# Altium PCB PCB.PcbDoc (part 2 of 2)
Units mm, origin at the board's own origin, x right, y up, seen from the top; angles counter-clockwise.
Board outline 103.25 x 114 mm, 2 copper layers (Top Layer, Bottom Layer); 184 components, 113 nets, 584 pads, 179 vias.
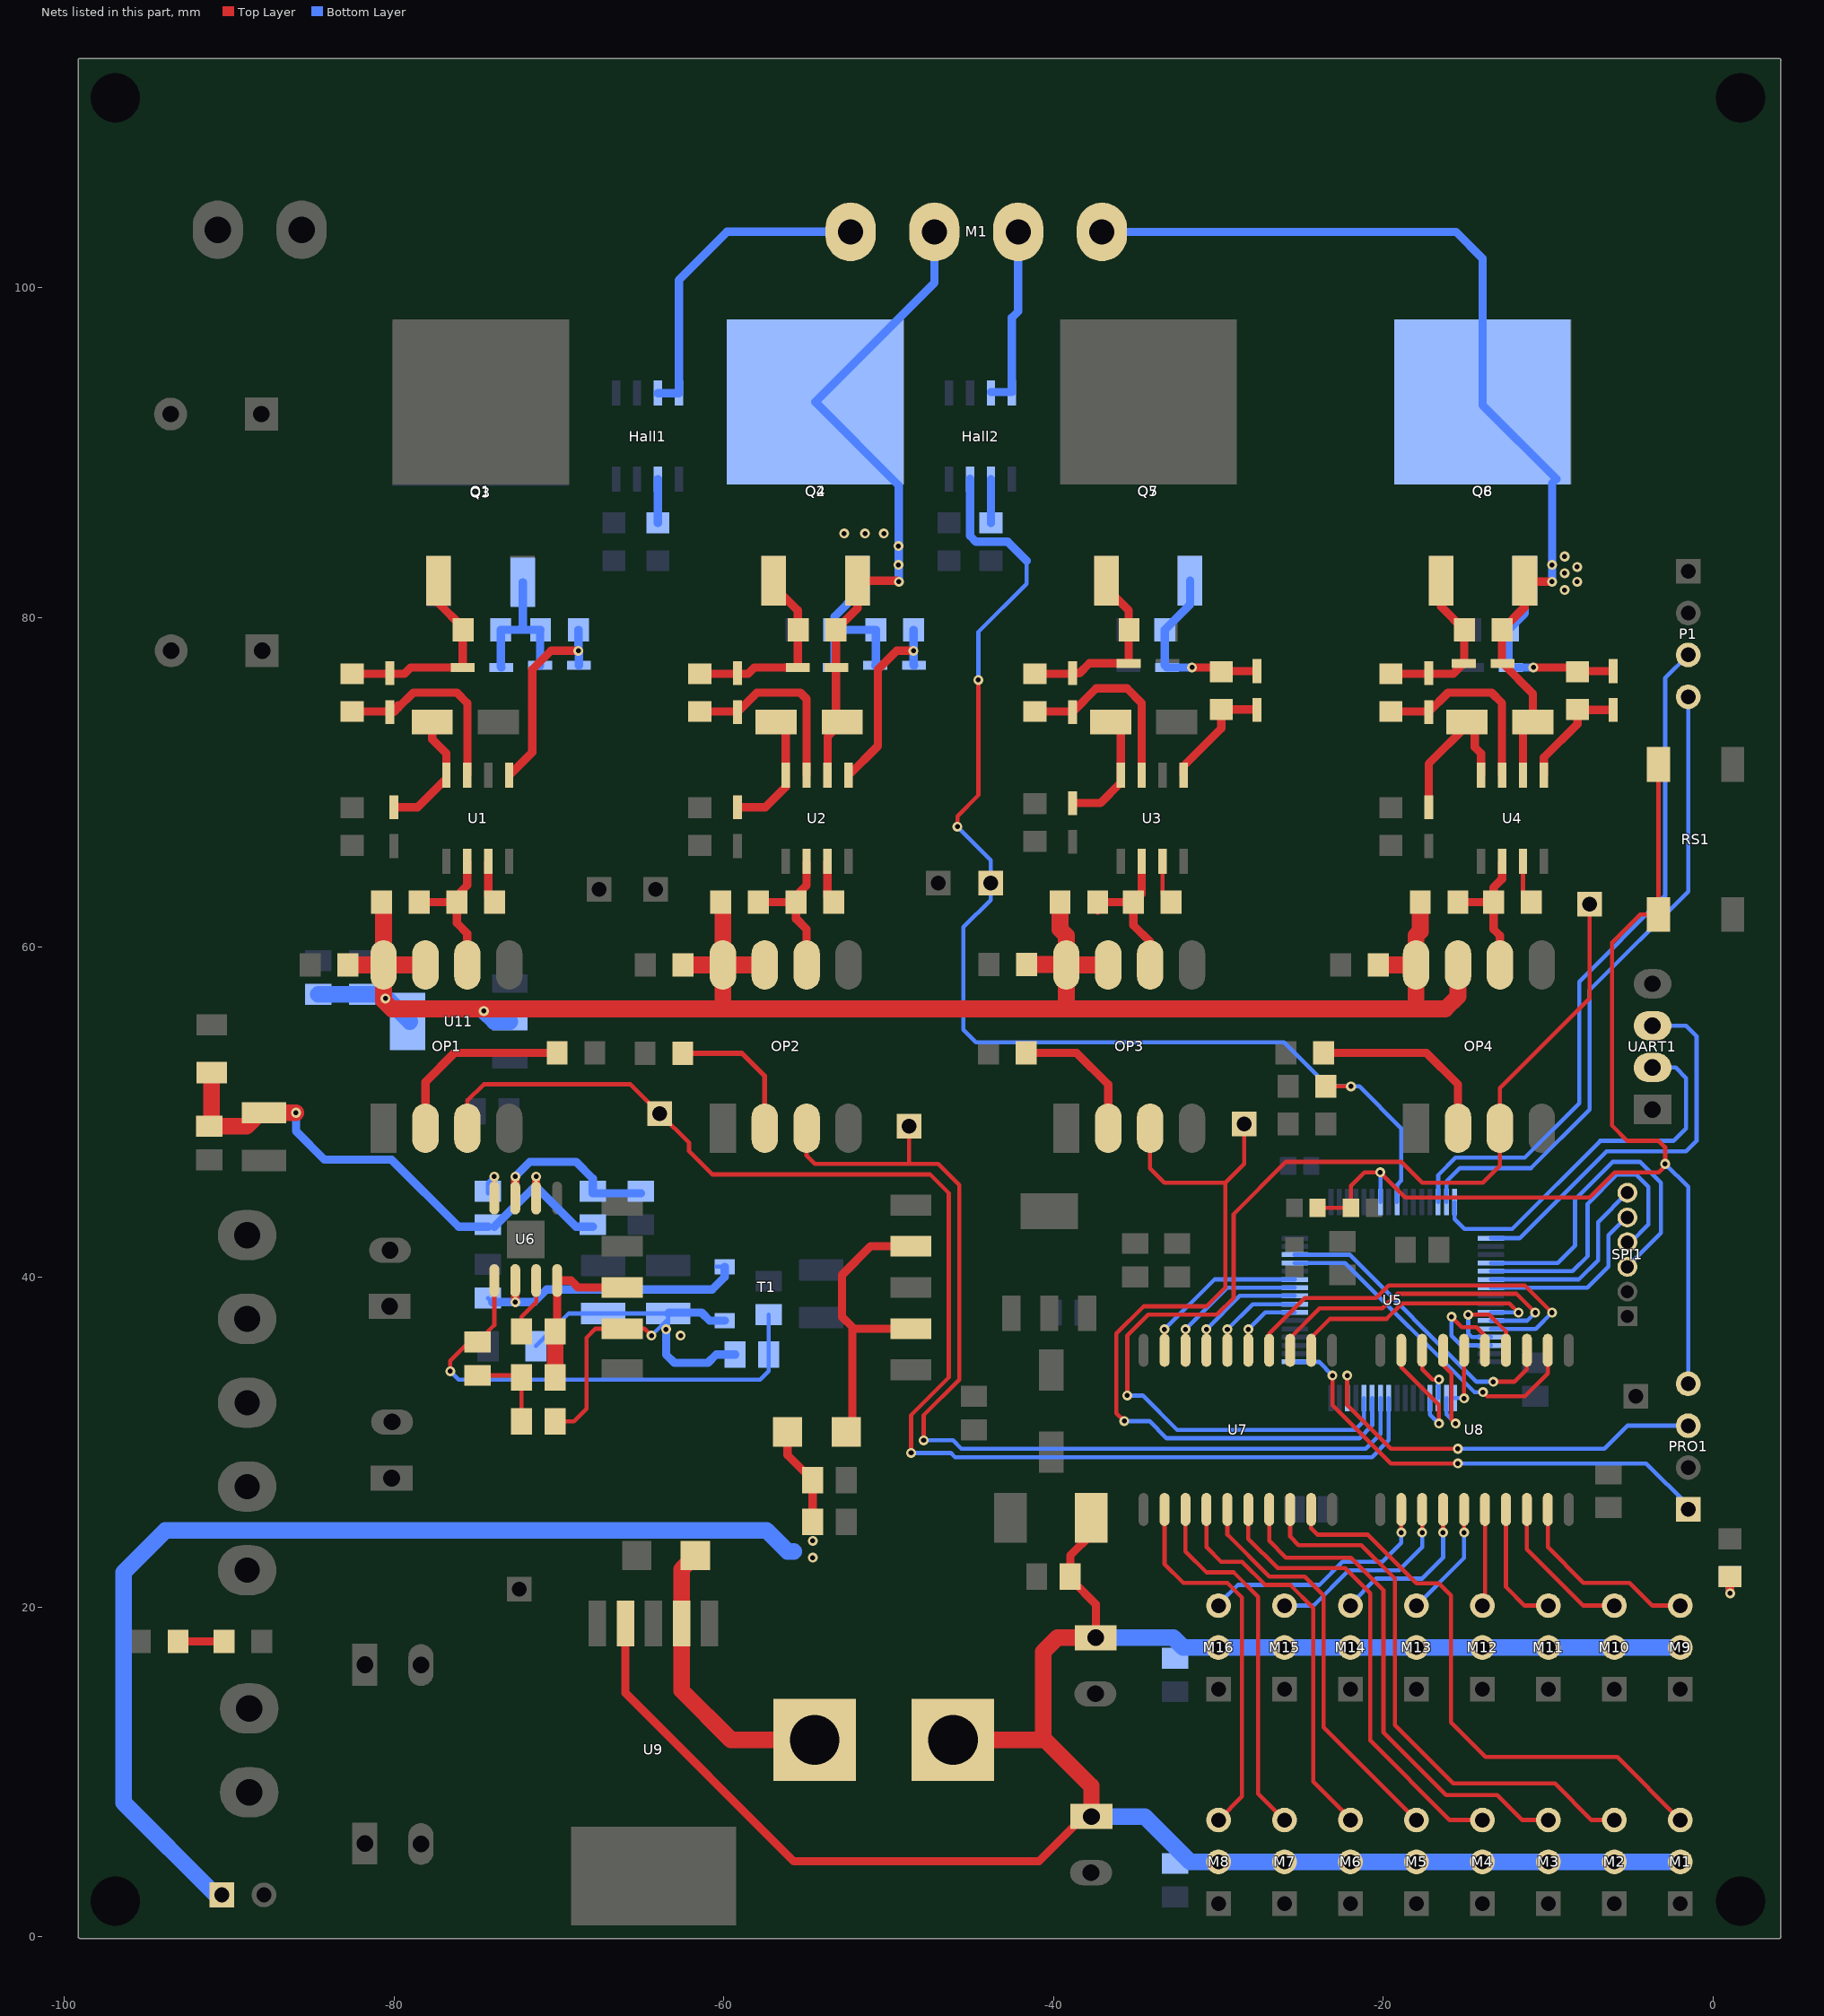
[diagram p2: the nets of this part, all layers, seen from the top]

## Via types
v1: diameter 0.6, hole 0.3, Top Layer to Bottom Layer, tented both sides, 170 vias
v2: diameter 1, hole 0.6, Top Layer to Bottom Layer, tented both sides, 9 vias

## Nets (pads, with @x,y where several pads share a name; then routed paths per layer and width w, separated by ;. In a path a pad name is that pad's centre, name@x,y a point inside that pad or via, vN(x,y) a via of type N, cw(c..) or ccw(c..) an arc to the next point about the centre after c; other vN are vias at no path point) (continued)
IB: C20.2 Hall2.7 TP2.1 U5.9 | length 74.3
  Top Layer w0.254: v1(-45.832,67.31) -45.832,67.945 -44.562,69.215 v1(-44.562,76.2) ; C20.2@-23.495,51.562 v1(-21.971,51.562)
  Bottom Layer w0.254: v1(-45.832,67.31) -45.832,67.295 -43.815,65.278 TP2.1@-43.815,63.881 -43.815,62.865 -45.466,61.214 -45.466,54.991 -44.704,54.229 -26.035,54.229 -23.368,51.562 v1(-21.971,51.562) -21.463,51.562 -18.923,49.022 -18.923,45.847 -19.181,45.589 U5.9@-19.181,44.558 ; v1(-44.562,76.2) -44.562,79.121 -41.641,82.042 -41.641,83.439
  Bottom Layer w0.508: Hall2.7@-45.07,88.392 -45.07,84.943 -44.709,84.582 -42.784,84.582 -41.641,83.439
MA+: Hall1.3 Hall1.4 M1.4 | length 19.8
  Bottom Layer w0.508: Hall1.3@-63.993,93.599 Hall1.4@-62.723,93.599 -62.723,100.457 -59.802,103.378 M1.4@-52.309,103.378
MA-: C2.2 D8.2 M1.3@-47.229,103.378 Q2.3 Q4.2 R2.2 U2.6 | length 41.7
  Top Layer w0.5: U2.6@-53.706,70.421 -53.706,72.771 C2.2@-52.817,73.66 -53.198,74.041 R2.2@-53.198,79.248 -51.892,80.554 Q2.3@-51.892,82.227 -49.446,82.227 v1(-49.388,82.169)
  Bottom Layer w0.5: v1(-49.388,82.169) -49.388,87.996 Q4.2@-54.458,93.066 -47.229,100.294 M1.3@-47.229,103.378
  other v1: -49.403,83.185 -49.403,84.328 -52.705,85.09 -51.435,85.09 -50.292,85.09
MB+: Hall2.3 Hall2.4 M1.2@-42.149,103.378 | length 11.7
  Bottom Layer w0.5: Hall2.3@-43.8,93.662 -42.53,93.662 -42.53,98.171 -42.149,98.552 M1.2@-42.149,103.378 M1.2@-42.53,102.997
MB-: C8.2 D22.2 M1.1@-37.069,103.378 Q6.3 Q8.2 R18.2 U4.6 | length 60.4
  Top Layer w0.5: U4.6@-11.542,70.421 -11.542,73.057 C8.2@-10.939,73.66 -10.939,75.375 D22.2@-12.78,77.216 -12.812,77.248 R18.2@-12.812,79.248 -11.43,80.63 Q6.3@-11.43,82.227 -11.372,82.169 v1(-9.779,82.169)
  Bottom Layer w0.5: M1.1@-37.069,103.378 -15.606,103.378 -13.995,101.767 Q8.2@-13.995,93.066 -13.995,92.877 -9.51,88.392 -9.779,88.123 v1(-9.779,83.185) v1(-9.779,82.169)
  other v1: -9.017,81.661 -8.255,82.169 -9.017,82.677 -8.255,83.058 -9.017,83.693
MISO: SPI1.6 U5.22 | length 11.8
  Bottom Layer w0.254: U5.22@-13.481,39.858 -8.148,39.858 -6.985,41.021 -6.985,43.337 SPI1.6@-5.207,45.115
MO_5V: C40.2 C44.2 C47.2 C48.1 C49.1 L1.1 L2.2 M1.2@-2,4.54 M2.2 M3.2 M4.2 M5.2 M6.2 M7.2 M8.2 M9.2 M10.2 M11.2 M12.2 M13.2 M14.2 M15.2 M16.2 U9.4 | length 139.2
  Top Layer w0.5: U9.4@-65.962,18.997 -65.962,14.781 -55.753,4.572 -40.894,4.572 -38.176,7.29 C49.1@-37.706,7.29 ; L1.1@-37.719,25.4 -37.719,24.384 -38.989,23.114 -38.989,21.59 -38.862,21.59 -37.44,20.168 C48.1@-37.44,18.136
  Top Layer w1: U9.4@-65.962,18.997 U9.4@-65.913,18.948 ; L2.2@-46.101,11.938 -40.767,11.938 -40.64,12.065 ; C49.1@-37.706,7.29 -37.706,9.131 -40.64,12.065 ; C48.1@-37.44,18.136 -39.776,18.136 -40.64,17.272 -40.64,12.065
  Bottom Layer w1: C49.1@-37.706,7.29 -34.468,7.29 -31.718,4.54 M8.2@-30,4.54 M7.2@-26,4.54 M6.2@-22,4.54 M5.2@-18,4.54 M4.2@-14,4.54 M3.2@-10,4.54 M2.2@-6,4.54 M1.2@-2,4.54 ; C48.1@-37.44,18.136 -32.741,18.136 -32.145,17.54 M16.2@-30,17.54 M15.2@-26,17.54 M14.2@-22,17.54 M13.2@-18,17.54 M12.2@-14,17.54 M11.2@-10,17.54 M10.2@-6,17.54 M9.2@-2,17.54
MOSI: SPI1.5 U5.23 | length 11.2
  Bottom Layer w0.254: U5.23@-13.481,39.358 -7.632,39.358 -6.35,40.64 -6.35,42.545 -5.278,43.617 SPI1.5@-5.207,43.617
NetC1_1: C1.1 D1.1 U1.8 | length 7.7
  Top Layer w0.508: D1.1@-79.995,68.485 -78.566,68.485 -76.82,70.231 U1.8@-76.82,70.421 -76.82,71.755 -77.677,72.612 C1.1@-77.677,73.66
NetC2_1: C2.1 D2.1 U2.8 | length 7.6
  Top Layer w0.5: D2.1@-59.167,68.485 -57.484,68.485 -56.246,69.723 U2.8@-56.246,70.421 -56.246,73.089 C2.1@-56.817,73.66
NetC7_1: C7.1 D15.1 U3.8 | length 7.4
  Top Layer w0.5: D15.1@-38.847,68.739 -37.164,68.739 -35.926,69.977 U3.8@-35.926,70.421 -35.926,73.057 C7.1@-36.529,73.66
NetC8_1: C8.1 D16.1 U4.8 | length 9.5
  Top Layer w0.5: D16.1@-17.257,68.485 -17.257,71.12 C8.1@-14.939,73.438 ; C8.1@-14.939,73.66 C8.1@-14.939,73.438 ; U4.8@-14.082,70.421 -14.082,71.755 -14.463,72.136 -14.463,72.962 C8.1@-14.939,73.438
NetC15_2: C15.2 Hall1.6 | length 2.7
  Bottom Layer w0.5: C15.2@-63.993,85.725 Hall1.6@-63.993,88.392
NetC21_2: C21.2 Hall2.6 | length 2.7
  Bottom Layer w0.5: C21.2@-43.8,85.725 Hall2.6@-43.8,88.392
NetC30_1: C30.1 D4.2 P2.1 R34.2 | length 70.6
  Top Layer w0.5: D4.2@-56.134,30.607 -56.134,29.21 R34.2@-54.61,27.686 C30.1@-54.61,25.146
  Bottom Layer w1: P2.1@-90.424,2.54 -90.805,2.54 -96.393,8.128 -96.393,22.098 -93.853,24.638 -57.404,24.638 -56.134,23.368 -55.753,23.368
  other v1: -54.61,22.987 -54.61,24.003
NetC31_1: C31.1 C33.1 R35.2 | length 5.4
  Top Layer w0.254: C33.1@-74.93,34.036 -72.39,34.036 R35.2@-72.263,33.909 C31.1@-72.263,31.242
NetC32_2: C32.2 U6.7 | length 3.5
  Top Layer w0.254: C32.2@-72.263,36.703 -72.263,37.592 -71.374,38.481 U6.7@-71.374,39.791
NetC33_2: C33.2 R38.1 R40.2 U6.5 | length 30.1
  Top Layer w0.254: v1(-76.581,34.29) -76.581,34.925 -75.438,36.068 C33.2@-74.93,36.068 -73.914,37.084 U6.5@-73.914,39.791
  Bottom Layer w0.254: v1(-76.581,34.29) -76.073,33.782 -57.785,33.782 -57.277,34.29 R38.1@-57.277,35.306 R40.2@-57.277,37.719
NetC36_1: C36.1 D17.1 U6.6 | length 17.5
  Top Layer w0.5: v1(-72.644,38.481) U6.6@-72.644,39.791
  Bottom Layer w0.254: C36.1@-74.295,38.735 C36.1@-74.041,38.481 ; D17.1@-60.466,40.626 D17.1@-59.944,40.626
  Bottom Layer w0.5: C36.1@-74.041,38.481 v1(-72.644,38.481) -71.501,38.481 -70.739,39.243 -60.706,39.243 -59.944,40.005 D17.1@-59.944,40.626
NetD4_1: D4.1 T1.7 T1.9 | length 18.4
  Top Layer w0.5: D4.1@-52.578,30.607 -52.197,30.988 -52.197,36.957 ; T1.9@-48.654,36.87 -52.11,36.87 -52.197,36.957 ; T1.7@-48.654,41.87 -51.094,41.87 -52.832,40.132 -52.832,37.592 -52.197,36.957
NetD5_1: D5.1 R3.2 U1.7 | length 12.3
  Top Layer w0.5: R3.2@-82.535,74.295 -79.963,74.295 ; D5.1@-79.995,74.263 -79.963,74.295 ; -79.741,74.676 -79.741,74.517 ; U1.7@-75.55,70.421 -75.55,74.803 -76.185,75.438 -78.82,75.438 -79.741,74.517 ; -79.963,74.295 -79.741,74.517
NetD5_2: D5.2 D7.1 Q1.1 R1.1 R3.1 | length 12.7
  Top Layer w0.508: R3.1@-82.535,76.581 -79.36,76.581 -78.979,76.962 D7.1@-75.836,76.962 -75.836,79.407 -77.292,80.863 Q1.1@-77.292,82.227
NetD6_1: D6.1 R4.2 U2.7 | length 11.8
  Top Layer w0.5: R4.2@-61.453,74.295 -59.199,74.295 D6.1@-59.167,74.263 -57.992,75.438 -55.357,75.438 -54.976,75.057 U2.7@-54.976,70.421
NetD6_2: D6.2 D8.1 Q2.1 R2.1 R4.1 | length 12
  Top Layer w0.508: R4.1@-61.453,76.581 D6.2@-59.199,76.581 ; D6.2@-59.167,76.613 D6.2@-59.199,76.581 ; Q2.1@-56.972,82.227 -56.972,81.879 -55.516,80.423 D8.1@-55.516,76.962 -58.151,76.962 -58.532,76.581 D6.2@-59.199,76.581
NetD9_1: D9.1 R7.2 U1.5 | length 12.4
  Top Layer w0.508: U1.5@-73.01,70.421 -71.613,71.819 -71.613,76.835 -70.47,77.978 v1(-68.819,77.978)
  Bottom Layer w0.508: R7.2@-68.819,79.248 v1(-68.819,77.978) -68.787,77.946 D9.1@-68.787,77.089
NetD9_2: D9.2 D13.1 Q3.1 R7.1 R9.1 | length 9.8
  Bottom Layer w0.508: R9.1@-73.526,79.248 R9.1@-73.518,79.248 ; D13.1@-73.486,76.962 -73.518,76.994 R9.1@-73.518,79.248 ; Q3.1@-72.187,82.126 -72.187,79.436 -72.375,79.248 ; D9.2@-71.137,77.089 R7.1@-71.137,79.216 ; R7.1@-71.105,79.248 R7.1@-71.137,79.216 ; R9.1@-73.518,79.248 -72.375,79.248 ; -72.375,79.248 -71.169,79.248 R7.1@-71.137,79.216
NetD10_1: D10.1 R8.2 U2.5 | length 12
  Top Layer w0.508: U2.5@-52.436,70.421 -50.658,72.2 -50.658,76.835 -49.515,77.978 v1(-48.499,77.978)
  Bottom Layer w0.508: R8.2@-48.499,79.248 v1(-48.499,77.978) -48.499,77.121 D10.1@-48.467,77.089
NetD10_2: D10.2 D14.1 Q4.1 R8.1 R10.1 | length 10.6
  Bottom Layer w0.508: R10.1@-53.325,79.248 R10.1@-53.285,79.248 ; D14.1@-53.285,76.962 R10.1@-53.285,79.248 ; Q4.1@-51.892,82.227 -51.892,81.443 -53.285,80.05 R10.1@-53.285,79.248 ; D10.2@-50.817,77.089 -50.785,77.121 R8.1@-50.785,79.248 R10.1@-53.285,79.248
NetD18_2: D18.2 L2.1 U9.2 | length 17.8
  Top Layer w1: D18.2@-61.722,23.114 -62.562,22.274 U9.2@-62.562,18.997 -62.562,14.937 -59.563,11.938 L2.1@-54.483,11.938
NetD19_1: D19.1 R19.2 U3.7 | length 11.8
  Top Layer w0.5: R19.2@-41.133,74.295 -38.879,74.295 D19.1@-38.847,74.263 -37.418,75.692 -35.545,75.692 -34.656,74.803 U3.7@-34.656,70.421
NetD19_2: D19.2 D21.1 Q5.1 R17.1 R19.1 | length 11.5
  Top Layer w0.508: R19.1@-41.133,76.581 -38.879,76.581 D19.2@-38.847,76.613 -38.434,76.613 -37.831,77.216 D21.1@-35.45,77.216 -35.45,80.423 -36.805,81.778 Q5.1@-36.805,82.227
NetD20_1: D20.1 R20.2 U4.7 | length 11.9
  Top Layer w0.5: R20.2@-19.543,74.295 -17.289,74.295 D20.1@-17.257,74.263 -16.082,75.438 -13.447,75.438 -12.812,74.803 U4.7@-12.812,70.421
NetD20_2: D20.2 D22.1 Q6.1 R18.1 R20.1 | length 10.3
  Top Layer w0.508: R20.1@-19.543,76.581 -15.765,76.581 D22.1@-15.13,77.216 -15.098,77.248 R18.1@-15.098,79.248 -16.51,80.66 Q6.1@-16.51,82.227
NetD23_1: D23.1 R23.2 U3.5 | length 7.1
  Top Layer w0.508: U3.5@-32.116,70.421 -32.116,70.993 -29.83,73.279 R23.2@-29.83,74.422 -27.703,74.422 D23.1@-27.671,74.39
NetD23_2: D23.2 D27.1 Q7.1 R23.1 R25.1 | length 11.6
  Top Layer w0.508: v1(-31.608,76.962) -30.338,76.962 -30.211,77.089 R23.1@-29.83,76.708 -29.798,76.74 D23.2@-27.671,76.74
  Bottom Layer w0.508: Q7.1@-31.725,82.227 -31.725,80.782 R25.1@-33.259,79.248 -33.259,77.103 D27.1@-33.118,76.962 v1(-31.608,76.962)
NetD24_1: D24.1 R24.2 U4.5 | length 7
  Top Layer w0.508: U4.5@-10.272,70.421 -10.272,71.501 -8.24,73.533 R24.2@-8.24,74.422 -8.208,74.39 D24.1@-6.081,74.39
NetD24_2: D24.2 D28.1 Q8.1 R24.1 R26.1 | length 12.1
  Top Layer w0.508: v1(-10.907,76.962) -8.494,76.962 R24.1@-8.24,76.708 -8.208,76.74 D24.2@-6.081,76.74
  Bottom Layer w0.508: Q8.1@-11.43,82.227 -11.43,80.249 R26.1@-12.431,79.248 -12.431,77.121 D28.1@-12.272,76.962 v1(-10.907,76.962)
NetOP1_2: OP1.2 R15.2 | length 11.5
  Top Layer w0.508: OP1.2@-78.09,49.027 -78.09,51.831 -76.327,53.594 R15.2@-70.104,53.594
NetOP2_2: OP2.2 R16.1 | length 8.7
  Top Layer w0.3: R16.1@-62.484,53.569 -58.903,53.569 -57.516,52.182 OP2.2@-57.516,49.027
NetOP3_2: OP3.2 R31.2 | length 8.4
  Top Layer w0.5: R31.2@-41.656,53.594 -38.608,53.594 -36.688,51.674 OP3.2@-36.688,49.027
NetOP4_2: OP4.2 R32.1 | length 11.6
  Top Layer w0.5: R32.1@-23.622,53.594 -17.399,53.594 -15.479,51.674 OP4.2@-15.479,49.027
NetPWR1_2: PWR1.2 R41.2 | length 2.8
  Top Layer w0.508: PWR1.2@-93.091,17.907 R41.2@-90.297,17.907
NetPWR2_2: PWR2.2 R42.2 | length 2
  Top Layer w0.5: v1(1.016,20.828) PWR2.2@1.016,21.844
  Bottom Layer w0.5: v1(1.016,20.828) R42.2@1.016,21.844
NetR5_1: R5.1 U1.3 | length 2.6
  Top Layer w0.508: U1.3@-74.28,65.215 -74.28,63.119 R5.1@-73.899,62.738
NetR6_1: R6.1 U2.3 | length 2.6
  Top Layer w0.508: U2.3@-53.706,65.215 -53.706,63.119 R6.1@-53.325,62.738
NetR21_1: R21.1 U3.3 | length 2.7
  Top Layer w0.254: U3.3@-33.386,65.215 -33.386,63.246 R21.1@-32.878,62.738
NetR22_1: R22.1 U4.3 | length 2.7
  Top Layer w0.254: U4.3@-11.542,65.215 -11.542,63.246 R22.1@-11.034,62.738
NetR36_1: R36.1 R39.2 U6.3 | length 10.6
  Top Layer w0.5: U6.3@-72.644,44.791 v1(-72.644,46.101)
  Bottom Layer w0.5: v1(-72.644,46.101) -71.755,46.99 -68.961,46.99 -67.945,45.974 R36.1@-67.945,45.212 -67.945,45.085 R39.2@-65.024,45.085
NetR37_2: R37.2 U6.4 | length 2.5
  Top Layer w0.254: U6.4@-73.914,44.791 v1(-73.914,46.101)
  Bottom Layer w0.254: R37.2@-74.295,45.085 R37.2@-74.295,45.212 -74.295,45.72 v1(-73.914,46.101)
NRST: C23.2 PRO1.4 R11.1 RS1.3 RS1.4 U5.7 | length 68.5
  Top Layer w0.254: C23.2@-24,44.196 R11.1@-21.971,44.196 -21.971,45.542 -21.158,46.355 v1(-20.193,46.355) -18.669,44.831 -7.493,44.831 -5.969,46.355 -3.302,46.355 -2.921,46.736 v1(-2.921,46.863) -2.921,47.879 -3.302,48.26 -5.207,48.26 -6.136,49.189 -6.136,60.285 -4.438,61.983 RS1.4@-3.326,61.983 RS1.3@-3.326,71.083
  Bottom Layer w0.254: v1(-20.193,46.355) -20.181,46.343 U5.7@-20.181,44.558 ; v1(-2.921,46.863) -1.524,45.466 PRO1.4@-1.524,33.528
NSCS_AS: SPI1.3 U5.20 | length 21
  Bottom Layer w0.254: U5.20@-13.481,40.858 -9.434,40.858 -8.382,41.91 -8.382,44.704 -6.096,46.99 -4.445,46.99 -3.175,45.72 -3.175,42.672 -5.207,40.64 SPI1.3@-5.207,40.617
OP_5V: C5.1 C6.1 C13.1 C14.1 C27.2 C54.2 OP1.7 OP1.8 OP2.7 OP2.8 OP3.7 OP3.8 OP4.7 OP4.8 R12.1 R14.1 R28.1 R30.1 U11.2 U11.4 | length 118.4
  Top Layer w1.016: C5.1@-82.789,58.928 OP1.8@-80.63,58.928 ; R12.1@-80.757,62.738 -80.63,62.611 OP1.8@-80.63,58.928 ; OP1.7@-78.09,58.928 OP1.8@-80.63,58.928 ; C6.1@-62.469,58.928 OP2.8@-60.056,58.928 ; R14.1@-60.183,62.738 -60.056,62.611 OP2.8@-60.056,58.928 ; OP2.7@-57.516,58.928 OP2.8@-60.056,58.928 ; C13.1@-41.641,58.953 -39.253,58.953 OP3.8@-39.228,58.928 ; R28.1@-39.609,62.738 -39.609,61.087 -39.228,60.706 OP3.8@-39.228,58.928 ; OP3.7@-36.688,58.928 OP3.8@-39.228,58.928 ; C14.1@-20.305,58.928 OP4.8@-18.019,58.928 ; R30.1@-17.765,62.738 -17.765,60.96 -18.019,60.706 OP4.8@-18.019,58.928 ; OP4.7@-15.479,58.928 -15.479,57.023 -16.241,56.261 -18.273,56.261 ; OP1.8@-80.63,58.928 -80.63,56.769 -80.122,56.261 -60.056,56.261 ; -60.056,56.261 -39.228,56.261 ; -60.056,56.261 OP2.8@-60.056,58.928 ; -39.228,56.261 OP3.8@-39.228,58.928 ; -39.228,56.261 -18.273,56.261 ; -18.273,56.261 -18.019,56.515 OP4.8@-18.019,58.928
  Bottom Layer w1.016: C54.2@-84.582,57.15 C27.2@-81.915,57.15 -80.697,57.15 U11.4@-79.046,55.499 ; v1(-74.549,56.134) -73.914,55.499 U11.2@-72.973,55.499
  other v1: -80.518,56.896
PA0: P1.3 U5.14 | length 41.9
  Bottom Layer w0.254: U5.14@-16.681,44.558 -16.681,46.184 -15.621,47.244 -11.43,47.244 -8.128,50.546 -8.128,57.912 -2.921,63.119 -2.921,76.327 P1.3@-1.524,77.724
PA1: P1.4 U5.15 | length 39.2
  Bottom Layer w0.254: U5.15@-16.181,44.558 -16.181,45.795 -15.367,46.609 -11.049,46.609 -7.493,50.165 -7.493,57.404 -1.524,63.373 P1.4@-1.524,75.184
PB0: U5.26 U7.2 | length 16.1
  Top Layer w0.254: U7.2@-24.384,35.56 -24.384,36.322 -23.241,37.465 -19.812,37.465 -18.877,38.4 -12.365,38.4 v1(-11.811,37.846)
  Bottom Layer w0.254: U5.26@-13.481,37.858 -11.823,37.858 v1(-11.811,37.846)
PB1: U5.27 U7.3 | length 20.1
  Top Layer w0.254: U7.3@-25.654,35.56 -25.654,36.322 -23.876,38.1 -20.066,38.1 -19.177,38.989 -11.938,38.989 v1(-10.795,37.846)
  Bottom Layer w0.254: U5.27@-13.481,37.358 -11.283,37.358 v1(-10.795,37.846)
PB2: U5.28 U7.4 | length 24.2
  Top Layer w0.254: U7.4@-26.924,35.56 -26.924,36.576 -24.765,38.735 -20.447,38.735 -19.685,39.497 -11.43,39.497 v1(-9.779,37.846)
  Bottom Layer w0.254: U5.28@-13.481,36.858 -10.767,36.858 v1(-9.779,37.846)
PB3: U5.55 U7.5 | length 4.5
  Top Layer w0.254: U7.5@-28.194,35.56 v1(-28.194,36.83)
  Bottom Layer w0.254: v1(-28.194,36.83) -27.166,37.858 U5.55@-25.381,37.858
PB4: U5.56 U7.6 | length 6
  Top Layer w0.254: U7.6@-29.464,35.56 v1(-29.464,36.83)
  Bottom Layer w0.254: v1(-29.464,36.83) -27.936,38.358 U5.56@-25.381,38.358
PB5: U5.57 U7.7 | length 7.5
  Top Layer w0.254: U7.7@-30.734,35.56 v1(-30.734,36.83)
  Bottom Layer w0.254: v1(-30.734,36.83) -28.706,38.858 U5.57@-25.381,38.858
PB6: U5.58 U7.8 | length 8.9
  Top Layer w0.254: U7.8@-32.004,35.56 v1(-32.004,36.83)
  Bottom Layer w0.254: v1(-32.004,36.83) -29.476,39.358 U5.58@-25.381,39.358
PB7: U5.59 U7.9 | length 10.4
  Top Layer w0.254: U7.9@-33.274,35.56 v1(-33.274,36.83)
  Bottom Layer w0.254: v1(-33.274,36.83) -30.246,39.858 U5.59@-25.381,39.858
PB8: U5.61 U8.2 | length 20.7
  Top Layer w0.254: v1(-13.97,33.02) -13.716,32.766 -11.43,32.766 -10.033,34.163 U8.2@-10.033,35.56
  Bottom Layer w0.254: U5.61@-25.381,40.858 -22.316,40.858 -14.478,33.02 v1(-13.97,33.02)
PB9: U5.62 U8.3 | length 18.7
  Top Layer w0.254: v1(-13.335,33.655) -12.065,33.655 -11.303,34.417 U8.3@-11.303,35.56
  Bottom Layer w0.254: U5.62@-25.381,41.358 -22.054,41.358 -14.351,33.655 v1(-13.335,33.655)
PB10: U5.29 U8.4 | length 6.5
  Top Layer w0.254: v1(-14.859,37.719) -13.589,37.719 -12.573,36.703 U8.4@-12.573,35.56
  Bottom Layer w0.254: v1(-14.859,37.719) -14.859,36.576 -14.641,36.358 U5.29@-13.481,36.358
PB11: U5.30 U8.5 | length 7.2
  Top Layer w0.254: v1(-15.875,37.592) -15.24,36.957 -14.351,36.957 -13.843,36.449 U8.5@-13.843,35.56
  Bottom Layer w0.254: v1(-15.875,37.592) -15.875,36.449 -15.284,35.858 U5.30@-13.481,35.858
PB12: U5.33 U8.6 | length 3.6
  Top Layer w0.254: v1(-15.113,32.639) -15.113,35.306 -14.986,35.433 U8.6@-15.113,35.56
  Bottom Layer w0.254: U5.33@-15.681,32.658 -15.132,32.658 v1(-15.113,32.639)
PB13: U5.34 U8.7 | length 6.5
  Top Layer w0.254: U8.7@-16.383,35.56 -16.383,34.671 -15.875,34.163 -15.875,31.369 v1(-15.621,31.115)
  Bottom Layer w0.254: U5.34@-16.181,32.658 -16.181,31.675 v1(-15.621,31.115)
PB14: U5.35 U8.8 | length 3.6
  Top Layer w0.254: U8.8@-17.653,35.56 -17.653,34.417 -17.018,33.782 v1(-16.637,33.782)
  Bottom Layer w0.254: U5.35@-16.681,32.658 -16.681,33.738 v1(-16.637,33.782)
PB15: U5.36 U8.9 | length 7.2
  Top Layer w0.254: U8.9@-18.923,35.56 -18.923,34.544 -16.637,32.258 v1(-16.637,31.115)
  Bottom Layer w0.254: U5.36@-17.181,32.658 -17.181,31.659 v1(-16.637,31.115)
PRI_12V: C31.2 C34.1 C35.1 D17.2 F2.1 R38.2 T1.2 | length 31.9
  Top Layer w0.254: C31.2@-70.231,31.242 -69.088,31.242 -68.326,32.004 -68.326,36.322 -67.778,36.87 T1.2@-66.154,36.87 -64.81,36.87 v1(-64.389,36.449)
  Bottom Layer w0.254: F2.1@-71.395,35.814 -69.416,37.793 C35.1@-67.31,37.793 C34.1@-63.373,37.793 C34.1@-63.373,37.465 ; v1(-64.389,36.449) C34.1@-63.373,37.465 ; v1@-63.373,36.83 C34.1@-63.373,37.465
  Bottom Layer w0.5: v1(-63.5,36.83) -63.5,35.306 -62.992,34.798 -60.96,34.798 -60.452,35.306 R38.2@-59.309,35.306 ; C34.1@-63.373,37.793 -63.32,37.846 -61.341,37.846 -60.847,37.352 D17.2@-59.944,37.352
  other v1: -62.611,36.449
PWM-IN-OPTO-AH: OP1.3 TP7.1 U5.41 | length 83
  Top Layer w0.254: OP1.3@-75.55,49.027 -75.55,50.688 -74.549,51.689 -65.659,51.689 TP7.1@-63.881,49.911 -62.103,48.133 -62.103,47.625 -60.706,46.228 -47.498,46.228 -46.355,45.085 -46.355,33.909 -48.641,31.623 v1(-48.641,29.337)
  Bottom Layer w0.254: v1(-48.641,29.337) -46.228,29.337 -45.974,29.083 -20.701,29.083 -19.681,30.103 U5.41@-19.681,32.658
PWM-IN-OPTO-AL: OP2.3 TP8.1 U5.42 | length 60.8
  Top Layer w0.254: OP2.3@-54.976,49.027 -54.976,47.356 -54.483,46.863 -48.768,46.863 ; TP8.1@-48.768,49.149 -48.768,46.863 ; v1(-47.879,30.099) -47.879,31.623 -45.72,33.782 -45.72,45.593 -46.99,46.863 -48.768,46.863
  Bottom Layer w0.254: v1(-47.879,30.099) -46.101,30.099 -45.593,29.591 -21.082,29.591 -20.181,30.492 U5.42@-20.181,32.658
PWM-IN-OPTO-BH: OP3.3 TP9.1 U5.43 | length 48.4
  Top Layer w0.254: v1(-35.712,31.267) -36.195,31.75 -36.195,36.576 -34.544,38.227 -30.734,38.227 -29.591,39.37 -29.591,45.72 ; OP3.3@-34.148,49.027 -34.148,46.594 -33.274,45.72 -29.591,45.72 ; TP9.1@-28.448,49.276 -28.448,46.863 -29.591,45.72
  Bottom Layer w0.254: v1(-35.712,31.267) -34.188,31.267 -33.147,30.226 -21.463,30.226 -20.681,31.008 U5.43@-20.681,32.658
PWM-IN-OPTO-BL: OP4.3 TP10.1 U5.44 | length 69.4
  Top Layer w0.254: v1(-35.535,32.817) -35.535,36.449 -34.265,37.719 -30.099,37.719 -29.083,38.735 -29.083,43.815 -25.908,46.99 -18.923,46.99 -17.653,45.72 -13.97,45.72 -12.939,46.751 OP4.3@-12.939,49.027 -12.939,51.45 -7.493,56.896 TP10.1@-7.493,62.611
  Bottom Layer w0.254: v1@-35.484,32.817 -34.595,32.817 -32.512,30.734 -21.717,30.734 -21.181,31.27 U5.44@-21.181,32.658
PWM-OUT-OPTO-AH: OP1.6 R5.2 R12.2 U1.2 | length 9.1
  Top Layer w0.508: R12.2@-78.471,62.738 R5.2@-76.185,62.738 ; OP1.6@-75.55,58.928 -75.55,60.833 -76.185,61.468 R5.2@-76.185,62.738 ; U1.2@-75.55,65.215 -75.55,63.754 -76.185,63.119 R5.2@-76.185,62.738
PWM-OUT-OPTO-AL: OP2.6 R6.2 R14.2 U2.2 | length 9.1
  Top Layer w0.508: R14.2@-57.897,62.738 R6.2@-55.611,62.738 ; OP2.6@-54.976,58.928 -54.976,61.087 -55.611,61.722 R6.2@-55.611,62.738 ; U2.2@-54.976,65.215 -54.976,63.754 -55.611,63.119 R6.2@-55.611,62.738
PWM-OUT-OPTO-BH: OP3.6 R21.2 R28.2 U3.2 | length 9.6
  Top Layer w0.508: R28.2@-37.323,62.23 R28.2@-37.323,62.738 R21.2@-35.164,62.738 ; U3.2@-34.656,65.215 -34.656,63.246 R21.2@-35.164,62.738 ; OP3.6@-34.148,58.928 -34.148,60.325 -35.164,61.341 R21.2@-35.164,62.738
PWM-OUT-OPTO-BL: OP4.6 R22.2 R30.2 U4.2 | length 8.8
  Top Layer w0.508: R30.2@-15.479,62.738 R22.2@-13.32,62.738 ; OP4.6@-12.939,58.928 -12.939,60.706 -13.32,61.087 R22.2@-13.32,62.738 ; U4.2@-12.812,65.215 -12.812,64.135 -13.32,63.627 R22.2@-13.32,62.738
RC1: M1.3@-2,7.08 U7.19 | length 35.4
  Top Layer w0.254: U7.19@-24.384,25.908 -24.384,24.765 -24.003,24.384 -20.955,24.384 -18.008,21.437 -16.637,21.437 -15.9,20.7 -15.9,13 -13.8,10.9 -5.82,10.9 M1.3@-2,7.08
RC2: M2.3 U7.18 | length 33.6
  Top Layer w0.254: U7.18@-25.654,25.908 -25.654,24.257 -25.146,23.749 -21.336,23.749 -19.304,21.717 -19.304,12.827 -15.777,9.3 -9.6,9.3 -7.38,7.08 M2.3@-6,7.08
RC3: M3.3 U7.17 | length 30.9
  Top Layer w0.254: U7.17@-26.924,25.908 -26.924,24.003 -25.908,22.987 -21.971,22.987 -20,21.016 -20,12.4 -16.2,8.6 -13.1,8.6 -11.58,7.08 M3.3@-10,7.08
RC4: M4.3 U7.16 | length 28.3
  Top Layer w0.254: U7.16@-28.194,25.908 -28.194,24.13 -26.416,22.352 -22.324,22.352 -20.8,20.828 -20.8,11.9 -15.98,7.08 M4.3@-14,7.08
RC5: M5.3 U7.15 | length 24.8
  Top Layer w0.254: U7.15@-29.464,25.908 -29.464,24.384 -26.924,21.844 -24.765,21.844 -23.622,20.701 -23.622,12.702 M5.3@-18,7.08
RC6: M6.3 U7.14 | length 24.1
  Top Layer w0.254: U7.14@-30.734,25.908 -30.734,23.622 -29.845,22.733 -28.575,22.733 -27.178,21.336 -25.657,21.336 -24.257,19.936 -24.257,9.398 -22,7.141 M6.3@-22,7.08
RC7: M7.3 U7.13 | length 22.3
  Top Layer w0.254: U7.13@-32.004,25.908 -32.004,23.368 -30.734,22.098 -29.083,22.098 -27.6,20.615 -27.6,8.68 M7.3@-26,7.08
RC8: M8.3 U7.12 | length 22.9
  Top Layer w0.254: U7.12@-33.274,25.908 -33.274,22.606 -32.131,21.463 -29.464,21.463 -28.575,20.574 -28.575,8.505 M8.3@-30,7.08
RC9: M9.3 U8.19 | length 11.8
  Top Layer w0.254: U8.19@-10.033,25.908 -10.033,23.622 -7.874,21.463 -5.08,21.463 -3.697,20.08 M9.3@-2,20.08
RC10: M10.3 U8.18 | length 9.1
  Top Layer w0.254: U8.18@-11.303,25.908 -11.303,23.495 -7.888,20.08 M10.3@-6,20.08
RC11: M11.3 U8.17 | length 7.7
  Top Layer w0.254: U8.17@-12.573,25.908 -12.573,21.209 -11.444,20.08 M11.3@-10,20.08
RC12: M12.3 U8.16 | length 5.9
  Top Layer w0.254: M12.3@-14,20.08 -13.843,20.237 U8.16@-13.843,25.908
RC13: M13.3 U8.15 | length 7
  Top Layer w0.254: v1(-15.113,24.511) U8.15@-15.113,25.908
  Bottom Layer w0.254: M13.3@-18,20.08 -15.113,22.967 v1(-15.113,24.511)
RC14: M14.3 U8.14 | length 9.8
  Top Layer w0.254: v1(-16.383,24.511) U8.14@-16.383,25.908
  Bottom Layer w0.254: M14.3@-22,20.08 -22,20.164 -20.445,21.719 -17.651,21.719 -16.383,22.987 v1(-16.383,24.511)
RC15: M15.3 U8.13 | length 12.1
  Top Layer w0.254: v1(-17.653,24.511) U8.13@-17.653,25.908
  Bottom Layer w0.254: M15.3@-26,20.08 -24.243,20.08 -22.096,22.227 -19.048,22.227 -17.653,23.622 v1(-17.653,24.511)
RC16: M16.3 U8.12 | length 15
  Top Layer w0.254: v1(-18.923,24.511) U8.12@-18.923,25.908
  Bottom Layer w0.254: M16.3@-30,20.08 -29.859,19.939 -29.859,20.306 -28.829,21.336 -23.876,21.336 -22.479,22.733 -20.066,22.733 -18.923,23.876 v1(-18.923,24.511)
RX: U5.17 UART1.3 | length 24.2
  Bottom Layer w0.254: U5.17@-13.481,42.358 -11.744,42.358 -6.477,47.625 -1.651,47.625 -1.016,48.26 -1.016,54.61 -1.651,55.245 UART1.3@-3.683,55.245
SCLK: SPI1.4 U5.21 | length 18.1
  Bottom Layer w0.254: U5.21@-13.481,40.358 -8.537,40.358 -7.62,41.275 -7.62,44.45 -5.842,46.228 -4.699,46.228 -3.937,45.466 -3.937,43.18 -5.001,42.116 SPI1.4@-5.207,42.116
SW: C32.1 R35.1 T1.3 U6.8 | length 10.1
  Top Layer w0.5: C32.1@-70.231,36.703 -70.104,36.83 U6.8@-70.104,39.791 -69.255,39.791 -68.834,39.37 T1.3@-66.154,39.37
  Top Layer w1: R35.1@-70.231,33.909 C32.1@-70.231,36.703
SWCLK: PRO1.1 U5.49 | length 28.8
  Top Layer w0.254: v1(-23.088,34.035) -23.088,32.232 -19.558,28.702 v1(-15.494,28.702)
  Bottom Layer w0.254: U5.49@-25.381,34.858 -23.911,34.858 v1(-23.088,34.035) ; v1(-15.494,28.702) -4.064,28.702 -1.524,26.162 PRO1.1@-1.524,25.908
SWDIO: PRO1.3 U5.46 | length 25.5
  Top Layer w0.254: v1(-22.2,34.036) -22.2,32.233 -19.558,29.591 v1(-15.494,29.591)
  Bottom Layer w0.254: v1(-22.2,34.036) -22.181,34.017 U5.46@-22.181,32.658 ; v1(-15.494,29.591) -6.604,29.591 -5.207,30.988 PRO1.3@-1.524,30.988
TX: U5.16 UART1.2 | length 23.2
  Bottom Layer w0.254: U5.16@-15.681,44.558 -15.681,43.519 -15.088,42.926 -12.192,42.926 -6.858,48.26 -2.413,48.26 -1.651,49.022 -1.651,52.07 -2.286,52.705 UART1.2@-3.683,52.705
VIN: C37.1 C38.1 F1.1 R36.2 R37.1 U6.2 | length 34.6
  Top Layer w0.5: C37.1@-87.996,50.076 -87.996,50.106 C37.1@-87.884,50.106 ; U6.2@-71.374,44.791 v1(-71.374,46.101)
  Top Layer w1: F1.1@-91.059,52.398 -91.059,49.276 C38.1@-91.186,49.149 -88.923,49.149 -87.996,50.076 C37.1@-87.884,49.964 v1(-85.935,49.964)
  Bottom Layer w0.254: R37.1@-74.295,43.053 R37.1@-73.914,43.053
  Bottom Layer w0.5: v1(-85.935,49.964) -85.935,48.851 -84.201,47.117 -80.137,47.117 -76.073,43.053 R37.1@-74.295,43.053 ; R37.1@-73.914,43.053 -71.374,45.593 ; v1(-71.374,46.101) -71.374,45.593 ; R36.2@-67.945,43.053 -68.961,43.053 -71.374,45.466 -71.374,45.593
pads on no net: CON3.5 OP1.1 OP1.4 OP2.1 OP2.4 OP3.1 OP3.4 OP4.1 OP4.4 T1.1 T1.4 T1.5 T1.6 U5.2 U5.3 U5.4 U5.5 U5.6 U5.10 U5.11 U5.18 U5.19 U5.24 U5.25 U5.37 U5.38 U5.39 U5.40 U5.45 U5.47 U5.48 U5.50 U5.51 U5.52 U5.53 U5.54

## Polygon pours and split planes (outlines as drawn)
NetC30_1 on Bottom Layer "Bottom Layer-No Net" (solid, pour order 85): -58.42,25.146 -54.356,25.146 -54.102,24.892 -53.975,24.765 -53.975,23.114 -53.975,22.606 -54.229,22.352 -54.864,22.352 -56.515,22.352 -58.42,24.257
GND_MCU on Bottom Layer "Bottom Layer-No Net" (solid, pour order 75): 33 vertices, not listed, extent -43.688,29.972 -26.652,42.418
5V on Bottom Layer "Bottom Layer-No Net" (solid, pour order 73): 30 vertices, not listed, extent -23.368,23.622 -2.286,27.305
GND_MCU on Bottom Layer "Bottom Layer-No Net" (solid, pour order 71): 55 vertices, not listed, extent -40.894,22.479 2.032,27.94
5V on Bottom Layer "Bottom Layer-No Net" (solid, pour order 69): 26 vertices, not listed, extent -92.71,24.003 -43.942,28.956
GND_MCU on Bottom Layer "Bottom Layer-No Net" (solid, pour order 67): 39 vertices, not listed, extent -92.71,30.226 -49.276,40.513
MO_5V on Bottom Layer "Bottom Layer-No Net" (solid, pour order 50): 23 vertices, not listed, extent -38.862,16.002 -0.635,19.431
MO_5V on Bottom Layer "Bottom Layer-No Net" (solid, pour order 48): 21 vertices, not listed, extent -38.989,3.81 -0.635,8.509
GND_MCU on Bottom Layer "Bottom Layer-No Net" (solid, pour order 46): 80 vertices, not listed, extent -91.059,0 -0.635,23.495
PRI_12V on Bottom Layer "Bottom Layer-No Net" (solid, pour order 44): 23 vertices, not listed, extent -71.882,35.052 -61.468,38.481
GND_MO on Bottom Layer "Bottom Layer-No Net" (solid, pour order 34): -65.151,61.595 -53.594,61.595 -52.832,62.357 -51.943,62.357 -51.435,61.849 -50.546,60.96 -50.546,57.785 -50.927,57.404 -65.151,57.404 -65.532,57.785 -65.532,61.214
GND_MO on Bottom Layer "Bottom Layer-No Net" (solid, pour order 30): 96 vertices, not listed, extent -92.71,38.989 -52.451,62.604
GND_MO on Bottom Layer "Bottom Layer-No Net" (solid, pour order 22): 88 vertices, not listed, extent -99.06,71.247 -15.748,107.315
MB- on Bottom Layer "Bottom Layer-No Net" (solid, pour order 18): 30 vertices, not listed, extent -38.735,81.28 -7.874,113.792
BH1 on Bottom Layer "Bottom Layer-No Net" (solid, pour order 14): 35 vertices, not listed, extent -46.99,81.661 -28.194,98.806
MB+ on Bottom Layer "Bottom Layer-No Net" (solid, pour order 12): -43.815,113.665 -43.815,98.044 -44.069,97.79 -44.069,94.361 -44.069,92.837 -41.783,92.837 -41.148,93.472 -41.021,93.599 -41.021,100.076 -41.021,100.711 -40.64,101.092 -40.386,101.346 -40.386,105.029 -40.386,113.792
MA- on Bottom Layer "Bottom Layer-No Net" (solid, pour order 8): 33 vertices, not listed, extent -60.198,81.534 -45.339,113.792
AH1 on Bottom Layer "Bottom Layer-No Net" (solid, pour order 4): 32 vertices, not listed, extent -81.153,81.661 -64.77,98.425
MA+ on Bottom Layer "Bottom Layer-No Net" (solid, pour order 2): 18 vertices, not listed, extent -64.262,92.583 -50.8,113.792
GND_MO on Bottom Layer "Bottom Layer-No Net" (solid, pour order 53): 40 vertices, not listed, extent -44.577,59.563 -9.525,70.358
GND_MCU on Bottom Layer "Bottom Layer-No Net" (solid, pour order 55): 20 vertices, not listed, extent -26.67,44.577 -24.892,51.054
GND_MCU on Bottom Layer "Bottom Layer-No Net" (solid, pour order 59): 19 vertices, not listed, extent -29.083,41.402 -26.289,43.18
5V on Top Layer "Bottom Layer-No Net" (solid, pour order 87): 60 vertices, not listed, extent -47.244,24.003 -19.812,37.794
NetC30_1 on Top Layer "Bottom Layer-No Net" (solid, pour order 83): 19 vertices, not listed, extent -56.896,22.352 -53.975,31.242
12V on Top Layer "Bottom Layer-No Net" (solid, pour order 81): 60 vertices, not listed, extent -92.71,1.27 -56.896,26.797
GND_MCU on Top Layer "Bottom Layer-No Net" (solid, pour order 79): 19 vertices, not listed, extent -5.969,22.352 -3.81,28.702
GND_MCU on Top Layer "Bottom Layer-No Net" (solid, pour order 77): 63 vertices, not listed, extent -28.575,37.367 -5.207,45.847
GND_MCU on Top Layer "Bottom Layer-No Net" (solid, pour order 58): 40 vertices, not listed, extent -79.248,0 -63.754,24.13
NetD18_2 on Top Layer "Bottom Layer-No Net" (solid, pour order 56): 21 vertices, not listed, extent -62.992,6.35 -51.435,20.193
MO_5V on Top Layer "Bottom Layer-No Net" (solid, pour order 52): 36 vertices, not listed, extent -48.895,6.35 -35.179,26.543
PRI_12V on Top Layer "Bottom Layer-No Net" (solid, pour order 42): 19 vertices, not listed, extent -68.453,35.433 -62.23,37.592
GND_MO on Top Layer "Bottom Layer-No Net" (solid, pour order 40): 36 vertices, not listed, extent -92.075,40.767 -70.993,47.879
GND_MO on Top Layer "Bottom Layer-No Net" (solid, pour order 38): 19 vertices, not listed, extent -53.213,57.404 -42.418,61.468
GND_MO on Top Layer "Bottom Layer-No Net" (solid, pour order 32): 23 vertices, not listed, extent -73.787,57.277 -63.5,61.595
HV+ on Top Layer "Bottom Layer-No Net" (solid, pour order 28): -89.662,77.343 -89.662,75.946 -89.662,69.85 -91.186,68.326 -91.821,67.691 -91.821,55.372 -90.297,55.372 -90.297,66.421 -87.757,68.961 -86.233,70.485 -86.233,77.216 -86.233,79.629 -86.614,80.01 -86.741,80.137 -89.027,80.137
HV+ on Top Layer "Bottom Layer-No Net" (solid, pour order 26): 18 vertices, not listed, extent -89.662,75.311 -75.819,97.282
HV+ on Top Layer "Bottom Layer-No Net" (solid, pour order 24): 19 vertices, not listed, extent -89.662,87.884 -6.35,106.68
MB- on Top Layer "Bottom Layer-No Net" (solid, pour order 20): -8.128,84.963 -12.065,84.963 -12.954,84.074 -13.462,83.566 -13.462,79.883 -13.462,78.486 -13.335,78.359 -9.906,78.359 -9.652,78.613 -7.493,80.772 -7.493,83.312 -7.493,84.328
BH1 on Top Layer "Bottom Layer-No Net" (solid, pour order 16): -33.782,78.613 -33.782,82.931 -31.75,84.963 -28.448,84.963 -27.94,84.963 -27.432,84.455 -27.432,83.566 -27.432,79.248 -28.067,78.613 -28.194,78.486 -28.321,78.359 -33.1,78.359 -33.528,78.359 -33.782,78.613
MA- on Top Layer "Bottom Layer-No Net" (solid, pour order 10): -53.848,78.613 -53.848,84.582 -53.848,85.09 -53.467,85.471 -53.213,85.725 -50.673,85.725 -49.149,85.725 -48.641,85.217 -48.641,83.82 -48.641,81.407 -48.768,81.28 -51.435,78.613 -53.848,78.613
AH1 on Top Layer "Bottom Layer-No Net" (solid, pour order 6): -74.295,80.645 -74.295,85.471 -74.295,85.725 -73.914,86.106 -72.136,86.106 -69.596,86.106 -69.215,85.725 -69.215,83.566 -69.215,81.026 -69.215,80.645 -71.247,78.613 -74.295,78.613
NetD4_1 on Top Layer "Bottom Layer-No Net" (solid, pour order 47): 33 vertices, not listed, extent -54.102,29.718 -47.371,42.545
GND_MCU on Top Layer "Bottom Layer-No Net" (solid, pour order 49): 55 vertices, not listed, extent -53.34,19.812 -39.37,35.052
GND_MCU on Top Layer "Bottom Layer-No Net" (solid, pour order 51): 74 vertices, not listed, extent -8.89,27.559 2.667,81.28
GND_MO on Top Layer "Bottom Layer-No Net" (solid, pour order 57): 23 vertices, not listed, extent -99.06,40.767 -86.614,80.01
MB- on Bottom Solder "Bottom Layer-No Net" (solid): 19 vertices, not listed, extent -38.735,87.122 -8.382,105.41
AH1 on Bottom Solder "Bottom Layer-No Net" (solid): -64.897,92.837 -64.897,96.393 -64.897,97.663 -65.278,98.044 -70.231,98.044 -76.073,98.044 -78.613,95.504 -78.232,95.123 -78.232,91.44 -69.596,91.44 -69.469,91.567 -69.469,91.948 -68.707,92.71 -68.58,92.837 -64.897,92.837
BH1 on Bottom Solder "Bottom Layer-No Net" (solid): 21 vertices, not listed, extent -46.736,88.392 -36.83,94.869
MB+ on Bottom Solder "Bottom Layer-No Net" (solid): 21 vertices, not listed, extent -43.942,92.964 -40.513,105.41
MA- on Bottom Solder "Bottom Layer-No Net" (solid): 21 vertices, not listed, extent -59.563,87.122 -45.72,105.41
MA+ on Bottom Solder "Bottom Layer-No Net" (solid): 20 vertices, not listed, extent -64.135,92.71 -50.8,105.537

## Keep-outs
Keep-Out Layer:
  lines w0.2: 4,0 4,113.792
  lines w0.203: 4,0 -99.045,0 -99.045,113.792 4,113.792

## Silkscreen, mask and mechanical layers (free items; w line width, h text height)
Top Overlay:
  lines w0.2: -98.044,45.212 -98.044,65.024
  text "-" at -90.043,100.711 h2 r180
  text "+" at -84.455,98.933 h2 r90
  text "A-" at -48.387,98.298 h2
  text "B+" at -43.18,98.298 h2
  text "B-" at -37.973,98.298 h2
  text "A+" at -53.594,98.171 h2
  text "3.3V" at 0.127,82.296 h1
  text "GND" at 0.254,79.629 h1
  text "PA0" at 0.381,77.216 h1
  text "PA1" at 0.381,74.549 h1
  text "GND_MO" at -97.409,64.262 h1
  text "12V_DRV" at -97.409,62.23 h1
  text "GND_MCU" at -97.409,60.198 h1
  text "5V_MCU" at -97.282,58.039 h1
  text "3.3V" at 0,57.404 h1
  text "RX" at 0.508,54.737 h1
  text "TX" at 0.381,52.197 h1
  text "GND" at 0,49.53 h1
  text "MISO" at 0.127,45.212 h1
  text "MOSI" at 0.127,43.561 h1
  text "CLK" at 0.127,41.91 h1
  text "CS" at 0.127,40.386 h1
  text "3.3V" at 0.127,38.735 h1
  text "GND" at 0.127,36.957 h1
  text "RST" at 0.254,33.147 h1
  text "DIO" at 0.254,30.48 h1
  text "GND" at 0.254,27.813 h1
  text "CLK" at 0.254,25.4 h1
  text "B15" at -30.226,21.971 h0.6 r90
  text "B14" at -26.416,21.971 h0.6 r90
  text "B13" at -22.225,21.971 h0.6 r90
  text "B12" at -18.288,21.971 h0.6 r90
  text "B11" at -14.478,21.971 h0.6 r90
  text "B10" at -10.414,21.971 h0.6 r90
  text "B9" at -6.35,21.971 h0.6 r90
  text "B8" at -2.286,21.971 h0.6 r90
  text "SIG" at 0,19.304 h1
  text "5V" at 0.127,17.145 h1
  text "GND" at 0,14.351 h1
  text "12V_MCU" at -85.852,11.176 h0.6
  text "GND_MCU" at -85.852,9.398 h0.6
  text "SIG" at 0.381,9.017 h1
  text "B7" at -30.353,8.89 h0.6 r90
  text "B6" at -26.289,8.89 h0.6 r90
  text "B5" at -22.479,8.89 h0.6 r90
  text "B4" at -18.415,8.89 h0.6 r90
  text "B3" at -14.351,8.89 h0.6 r90
  text "B2" at -10.541,8.89 h0.6 r90
  text "B1" at -6.477,8.89 h0.6 r90
  text "B0" at -2.413,8.89 h0.6 r90
  text "5V" at 0.508,6.858 h1
  text "GND" at 0.381,4.064 h1
Bottom Overlay:
  text "GND_MO" at -91.567,41.91 h1
  text "12V_DRV" at -91.44,36.83 h1
  text "GND_MCU" at -91.44,31.75 h1
  text "5V_MCU" at -91.44,26.797 h1
Top Solder:
  rectangle: -91.273,14.122 -86.701,16.637
  rectangle: -91.283,31.585 -86.711,34.099
  rectangle: -85.558,14.122 -80.986,16.637
  rectangle: -85.558,31.623 -80.986,34.138
  lines w2: -88.034,92.329 -70.358,92.329 ; -85.725,92.583 -85.598,92.71 -85.598,103.505 ; -81.788,92.456 -15.875,92.456 -15.621,92.71
Bottom Solder:
  lines w2: -93.508,77.978 -93.546,78.016 ; -90.678,103.505 -90.678,101.092 -93.599,98.171 -93.599,92.382 -93.546,92.329 -93.546,78.016 ; -80.518,73.533 -80.518,79.121 -77.597,82.042 ; -60.071,73.533 -60.071,79.375 -57.531,81.915 ; -39.497,73.533 -39.497,79.121 -37.211,81.407 ; -17.018,82.296 -18.669,80.645 -18.669,75.692 -20.828,73.533 -91.313,73.533 -92.075,74.295 -93.546,75.766 -93.546,78.016

## Text inside footprints (layer, text, board x,y; h text height)
L2: Mechanical 17 "LEAD LENGTH:12.7MM" at -62.23,17.272 h0.6